# Altium PCB Daughterboard_Rev1_A.PcbDoc (part 1 of 3) (continued)
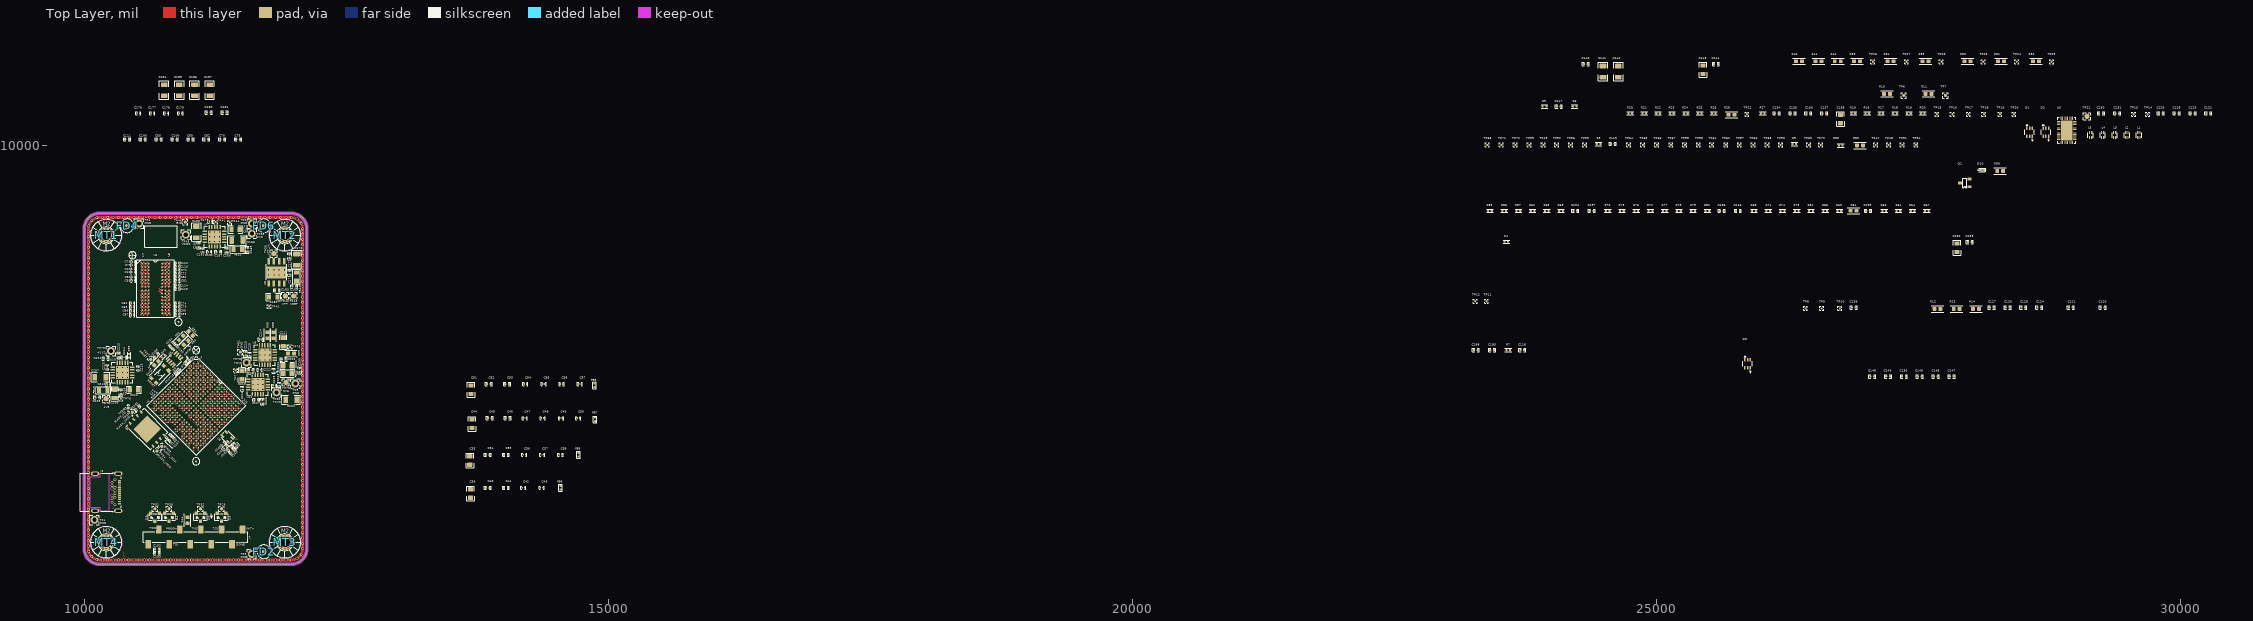
[diagram p0: Top Layer view]
## Components (designator, comment, footprint, x,y, rotation, side; value= is the part's Value field where it differs from the comment)
C1 "4.7uF" CAP_0805 11420,7710 r315 bottom
C2 "100nF" CAP_0402 11350,7775 r225 bottom
C3 "100nF" CAP_0402 11092.63,7537.63 r225 bottom
C4 "100nF" CAP_0402 11145,7590 r45 bottom
C5 "10nF" CAP_0201 11045.7,7646.13 r180 bottom
C6 "10nF" CAP_0201 11090.24,7646.13 r90 bottom
C7 "10nF" CAP_0201 11090.24,7601.58 r180 bottom
C8 "10nF" CAP_0201 11157.06,7534.77 r270 bottom
C9 "10nF" CAP_0201 11201.6,7534.77 r0 bottom
C10 "10nF" CAP_0201 11201.6,7490.23 r270 bottom
C11 "4.7uF" CAP_0805 10685,7345 r135 bottom
C12 "100nF" CAP_0402 10755,7280 r45 bottom
C13 "100nF" CAP_0402 11037.37,7482.37 r45 bottom
C14 "100nF" CAP_0402 10985,7430 r225 bottom
C15 "10nF" CAP_0201 10934.35,7534.77 r90 bottom
C16 "10nF" CAP_0201 10934.35,7490.23 r180 bottom
C17 "10nF" CAP_0201 10978.89,7490.23 r90 bottom
C18 "10nF" CAP_0201 11045.7,7423.42 r0 bottom
C19 "10nF" CAP_0201 11045.7,7378.87 r270 bottom
C20 "10nF" CAP_0201 11090.24,7378.87 r0 bottom
C21 "4.7uF" CAP_0805 11196.72,7928.28 r135 bottom
C22 "100nF" CAP_0402 11265,7860 r225 bottom
C23 "100nF" CAP_0402 11033.52,7553.22 r315 bottom
C24 "10nF" CAP_0201 11045,7600 r270 bottom
C25 "10nF" CAP_0201 10990,7595 r135 bottom
C26 "10nF" CAP_0201 10978.89,7534.77 r0 bottom
C27 "4.7uF" CAP_0805 10905,7125 r315 bottom
C28 "100nF" CAP_0402 10840,7195 r45 bottom
C29 "100nF" CAP_0402 11107.37,7472.63 r135 bottom
C30 "10nF" CAP_0201 11157.06,7490.23 r180 bottom
C31 "10nF" CAP_0201 11150,7435 r315 bottom
C32 "10nF" CAP_0201 11090.24,7423.42 r90 bottom
C33 "4.7uF" CAP_0805 13680,6990 r90 top
C34 "100nF" CAP_0402 13850,7045 r0 top
C35 "100nF" CAP_0402 14025,7045 r0 top
C36 "10nF" CAP_0201 14200,7045 r0 top
C37 "10nF" CAP_0201 14370,7045 r0 top
C38 "10nF" CAP_0201 14545,7045 r0 top
C39 "4.7uF" CAP_0805 13685,6675 r90 top
C40 "100nF" CAP_0402 13850,6730 r0 top
C41 "100nF" CAP_0402 14025,6730 r0 top
C42 "10nF" CAP_0201 14190,6730 r0 top
C43 "10nF" CAP_0201 14365,6730 r0 top
C44 "4.7uF" CAP_0805 13700,7340 r90 top
C45 "100nF" CAP_0402 13870,7395 r0 top
C46 "100nF" CAP_0402 14040,7395 r0 top
C47 "10nF" CAP_0201 14205,7395 r0 top
C48 "10nF" CAP_0201 14375,7395 r0 top
C49 "10nF" CAP_0201 14550,7395 r0 top
C50 "10nF" CAP_0201 14715,7395 r0 top
C51 "4.7uF" CAP_0805 13690,7665 r90 top
C52 "100nF" CAP_0402 13860,7720 r0 top
C53 "100nF" CAP_0402 14035,7720 r0 top
C54 "10nF" CAP_0201 14210,7720 r0 top
C55 "10nF" CAP_0201 14385,7720 r0 top
C56 "10nF" CAP_0201 14555,7720 r0 top
C57 "10nF" CAP_0201 14730,7720 r0 top
C58 "4.7uF" CAP_0805 10578,8946 r0 bottom
C59 "470nF" CAP_0402 10487,8835 r180 bottom
C60 "47nF" CAP_0201 10644,8818 r0 bottom
C61 "10nF" CAP_0201 10644,8851 r0 bottom
C62 "10nF" CAP_0201 10459.9,8490 r180 top
C63 "47nF" CAP_0201 10459.9,8453 r180 top
C64 "470nF" CAP_0402 10487,8474 r180 bottom
C65 "4.7uF" CAP_0805 10750,8946 r180 bottom
C66 "10nF" CAP_0201 10644,8779 r0 bottom
C67 "47nF" CAP_0201 10644,8746 r0 bottom
C68 "470nF" CAP_0402 10487,8633 r180 bottom
C69 "4.7uF" CAP_0805 10767,8314 r180 bottom
C70 "100nF" CAP_0402 11318,10055 r0 top
C71 "47nF" CAP_0201 10891,8805 r0 top
C72 "10nF" CAP_0201 10891,8772 r0 top
C73 "10nF" CAP_0201 10891,8455 r0 top
C74 "47nF" CAP_0201 10891,8488 r0 top
C75 "100nF" CAP_0402 11469,10055 r0 top
C76 "4.7uF" CAP_0805 10596,8314 r0 bottom
C77 "470nF" CAP_0402 10487,8726 r180 bottom
C78 "47nF" CAP_0201 10469,8853.31 r180 top
C79 "10nF" CAP_0201 10469,8885 r180 top
C80 "10nF" CAP_0201 10891,8739 r0 top
C81 "47nF" CAP_0201 10891,8707 r0 top
C82 "100nF" CAP_0402 11166,10055 r0 top
C83 "470nF" CAP_0402 10874.5,8820 r0 bottom
C84 "47nF" CAP_0201 10716,8760 r180 bottom
C85 "10nF" CAP_0201 10716,8727 r180 bottom
C86 "10nF" CAP_0201 10459.9,8416 r180 top
C87 "47nF" CAP_0201 10459.9,8379 r180 top
C88 "470nF" CAP_0402 10487,8409 r180 bottom
C89 "100nF" CAP_0402 11015,10055 r0 top
C90 "47nF" CAP_0201 10717,8851 r180 bottom
C91 "10nF" CAP_0201 10717,8884 r180 bottom
C92 "10nF" CAP_0201 10469,8739 r180 top
C93 "47nF" CAP_0201 10469,8707 r180 top
C94 "470nF" CAP_0402 10874,8473 r0 bottom
C95 "100nF" CAP_0402 10712,10055 r0 top
C96 "47nF" CAP_0201 10645,8568 r0 bottom
C97 "10nF" CAP_0201 10645,8601 r0 bottom
C98 "10nF" CAP_0201 10891,8416 r0 top
C99 "47nF" CAP_0201 10891,8383 r0 top
C100 "100nF" CAP_0402 10863,10055 r0 top
C101 "470nF" CAP_0402 10874,8662 r0 bottom
C102 "47nF" CAP_0201 10469,8785 r180 top
C103 "10nF" CAP_0201 10469,8816.31 r180 top
C104 "10nF" CAP_0201 10645,8661.16 r0 bottom
C105 "47nF" CAP_0201 10645,8694.16 r0 bottom
C106 "100nF" CAP_0402 10560,10055 r0 top
C107 "470nF" CAP_0402 10874,8584 r0 bottom
C108 "47nF" CAP_0201 10717,8592 r180 bottom
C109 "10nF" CAP_0201 10717,8559 r180 bottom
C110 "470nF" CAP_0402 10874,8410 r0 bottom
C111 "100nF" CAP_0402 10409,10055 r0 top
C112 "47nF" CAP_0201 10891,8871 r0 top
C113 "10nF" CAP_0201 10891,8838 r0 top
C114 "10nF" CAP_0201 10891,8661 r0 top
C115 "47nF" CAP_0201 10891,8628 r0 top
C116 "2.2pF" CAP_0402 25780,9373 r0 top
C117 "100nF" CAP_0402 24071,10367 r0 top
C118 "2.2pF" CAP_0402 23723,8044 r0 top
C119 "2.2pF" CAP_0402 24586,10012 r0 top
C120 "100nF" CAP_0402 29260,8451 r0 top
C121 "100nF" CAP_0402 28957,8451 r0 top
C122 "100nF" CAP_0402 30269,10303 r0 top
C123 "100nF" CAP_0402 30118,10303 r0 top
C124 "100nF" CAP_0402 28655,8451 r0 top
C125 "100nF" CAP_0402 28503,8451 r0 top
C126 "100nF" CAP_0402 28352,8451 r0 top
C127 "100nF" CAP_0402 28200,8451 r0 top
C128 "100nF" CAP_0402 29966,10303 r0 top
C129 "100nF" CAP_0402 29815,10303 r0 top
C130 "220pF" CAP_0402 29244,10303 r0 top
C131 "220pF" CAP_0402 29399,10303 r0 top
C132 "4.7uF" CAP_0805 27869,9021 r90 top
C133 "100nF" CAP_0402 27993,9075 r0 top
C134 "100nF" CAP_0402 26149,10303 r0 top
C135 "100nF" CAP_0402 26301,10303 r0 top
C136 "100nF" CAP_0402 26452,10303 r0 top
C137 "100nF" CAP_0402 26604,10303 r0 top
C138 "4.7uF" CAP_0805 26757,10249 r90 top
C139 "470nF" CAP_0402 26884,8451 r0 top
C140 "470nF" CAP_0402 24327,10773 r0 top
C141 "47uF" CAP_1206 24493,10701 r90 top
C142 "47uF" CAP_1206 24638,10701 r90 top
C143 "4.7uF" CAP_0805 25446,10719 r90 top
C144 "100nF" CAP_0402 25570,10773 r0 top
C145 "100nF" CAP_0402 27515,7793 r0 top
C146 "100nF" CAP_0402 27667,7793 r0 top
C147 "100nF" CAP_0402 27818,7793 r0 top
C148 "100nF" CAP_0402 27061,7793 r0 top
C149 "100nF" CAP_0402 27212,7793 r0 top
C150 "100nF" CAP_0402 27364,7793 r0 top
C151 "220pF" CAP_0402 10507.37,7492.37 r45 top
C152 "100nF" CAP_0402 10695,6140 r0 top
C153 "100nF" CAP_0402 10695,6105 r0 top
C154 "100nF" CAP_0402 10835,8100 r45 top
C155 "100nF" CAP_0402 10865,8070 r45 top
C156 "100nF" CAP_0402 10835,7190 r45 top
C157 "100nF" CAP_0402 10807.63,7217.63 r45 top
C158 "100nF" CAP_0402 10687.37,7992.37 r45 top
C159 "47uF" CAP_1206 11410,7265 r135 bottom
C160 "4.7uF" CAP_0805 11360,7200 r135 bottom
C161 "100nF" CAP_0402 11345,7115 r225 top
C162 "220pF" CAP_0402 11387.37,7107.37 r225 top
C163 "47nF" CAP_0201 11330,7145 r225 top
C164 "100nF" CAP_0402 11415,7075 r225 top
C165 "470nF" CAP_0402 11560,9002.5 r90 top
C166 "47uF" CAP_1206 11460,9090 r0 top
C167 "470nF" CAP_0402 11280,8980 r180 top
C168 "100nF" CAP_0402 11360,8995 r270 top
C169 "470nF" CAP_0402 12005,8650 r0 top
C170 "47uF" CAP_1206 12025,8908 r90 top
C171 "470nF" CAP_0402 11960,8782.5 r270 top
C172 "100nF" CAP_0402 11960,8940 r90 top
C173 "100nF" CAP_0402 11845,8910 r180 bottom
C174 "4.7uF" CAP_0805 11445,9195 r0 top
C175 "10nF" CAP_0201 11205,9270 r0 top
C176 "47nF" CAP_0201 10518,10305 r0 top
C177 "47nF" CAP_0201 10651,10305 r0 top
C178 "47nF" CAP_0201 10785,10305 r0 top
C179 "47nF" CAP_0201 10919,10305 r0 top
C180 "100nF" CAP_0402 11189,10310 r0 top
C181 "100nF" CAP_0402 11340,10310 r0 top
C182 "4.7uF" CAP_0805 11805,8550 r180 top
C183 "470nF" CAP_0402 11840,8615 r180 top
C184 "47uF" CAP_1206 10763,10524 r90 top
C185 "47uF" CAP_1206 10908,10524 r90 top
C186 "47uF" CAP_1206 11053,10524 r90 top
C187 "47uF" CAP_1206 11198,10524 r90 top
C188 "47uF" CAP_1206 11070,9170 r90 top
C189 "47uF" CAP_2917_P 11465,9120 r90 bottom
C190 "470nF" CAP_0402 11090,9045 r270 top
C191 "47nF" CAP_0201 11130,8995 r270 top
C192 "10nF" CAP_0201 11194,8980 r0 top
C193 "470nF" CAP_0402 23434,8043 r0 top
C194 "470nF" CAP_0402 24229,9373 r0 top
C195 "470nF" CAP_0402 27021,9373 r0 top
C196 "470nF" CAP_0402 25625,9373 r0 top
C197 "470nF" CAP_0402 24384,9373 r0 top
C198 "470nF" CAP_0402 23279,8043 r0 top
C199 "470nF" CAP_0402 12055,7852.5 r90 top
C200 "47uF" CAP_1206 11975,7570 r0 top
C201 "47uF" CAP_1206 11710,7895 r180 bottom
C202 "4.7uF" CAP_0805 11940,7895 r0 top
C203 "470nF" CAP_0402 11902.5,7955 r0 top
C204 "10nF" CAP_0201 11810,7845 r270 top
C205 "470nF" CAP_0402 10125,7590 r180 top
C206 "47uF" CAP_1206 10375,7685 r270 bottom
C207 "47uF" CAP_1206 10155,7785 r180 top
C208 "4.7uF" CAP_0805 10291.32,7625 r270 top
C209 "470nF" CAP_0402 10350,7642.5 r270 top
C210 "10nF" CAP_0201 10231,7715 r180 top
C211 "4.7uF" CAP_0805 11900,8120 r90 top
C212 "4.7uF" CAP_0805 10475,7665 r0 top
C213 "4.7uF" CAP_0805 11505,7805 r270 top
C214 "10nF" CAP_0201 11685,8145 r0 top
C215 "10nF" CAP_0201 10515,7869 r270 top
C216 "10nF" CAP_0201 11510,7676 r90 top
C217 "4.7uF" CAP_0805 11590,8000 r0 bottom
C218 "470nF" CAP_0402 11590,7855 r180 top
C219 "100nF" CAP_0402 11540,8010 r90 top
C220 "47nF" CAP_0201 11580,8001 r90 top
C221 "10nF" CAP_0201 11675,7855 r0 top
C222 "470nF" CAP_0402 10205,7965 r180 top
C223 "100nF" CAP_0402 10330,7993 r90 top
C224 "47nF" CAP_0201 10380,7975 r0 top
C225 "10nF" CAP_0201 10220,7880 r270 top
C226 "470nF" CAP_0402 11700,7552.8 r90 top
C227 "100nF" CAP_0402 11642.5,7570 r180 top
C228 "47nF" CAP_0201 11860,7715 r90 top
C229 "10nF" CAP_0201 11815,7705 r180 top
D1 "TPD4E1B06DCKR" TPD4E1B06DCKR 28563,10123 r90 top
D2 "TPD4E1B06DCKR" TPD4E1B06DCKR 28718,10123 r90 top
D3 "BAV99" MMBD7000-7-F 11310,6450 r180 top
D4 "BAV99" MMBD7000-7-F 10810,6450 r180 top
D5 "BAV99" MMBD7000-7-F 10675,6450 r180 top
D6 "BAV99" MMBD7000-7-F 11110,6450 r180 top
D7 "HRTBT" LED_0402 10985,7935 r225 top
D8 "TPD4E1B06DCKR" TPD4E1B06DCKR 25872,7913 r90 top
D9 "STATUS" LED_0402 10890,7840 r225 top
D10 "DONE" LED_0402 28109,9762 r0 top
FB1 "MPZ1005S900HT000" IND_0402 11320,7805 r225 bottom
FB2 "MPZ1005S900HT000" IND_0402 10782.63,7252.63 r45 bottom
FB3 "MPZ1005S900HT000" IND_0402 11292.37,7832.37 r225 bottom
FB4 "MPZ1005S900HT000" IND_0402 10812.37,7222.37 r45 bottom
FB5 "MPZ1005S900HT000" IND_0402 14715,7045 r90 top
FB6 "MPZ1005S900HT000" IND_0402 14545,6730 r90 top
FB7 "MPZ1005S900HT000" IND_0402 14875,7382.5 r90 top
FB8 "MPZ1005S900HT000" IND_0402 14870,7707.5 r90 top
FB9 "MPZ1005S900HT000" IND_0402 11437.37,7132.63 r135 top
FB10 "MPZ2012S300ATD25" IND_0805 11465,9005 r180 top
FB11 "MPZ2012S300ATD25" IND_0805 12025,8745 r90 top
FB12 "MPZ2012S300ATD25" IND_0805 11940,7820 r180 top
FB13 "MPZ2012S300ATD25" IND_0805 10181.32,7660 r0 top
FD1 "FIDUCIAL" FIDUCIAL 11715,9230 r180 bottom locked
FD2 "FIDUCIAL" FIDUCIAL 11715,6120 r0 top locked
FD3 "FIDUCIAL" FIDUCIAL 11715,6120 r180 bottom locked
FD4 "FIDUCIAL" FIDUCIAL 10410,9230 r0 top locked
FD5 "FIDUCIAL" FIDUCIAL 10410,9230 r180 bottom locked
FD6 "FIDUCIAL" FIDUCIAL 11715,9230 r0 top locked
J1 "SSM-104-L-SV" SSM-104-L-SV 11915,7995 r90 bottom locked
J2 "SSM-104-L-SV" SSM-104-L-SV 11025,6670 r180 bottom locked
J3 "SSM-110-L-DV" SSM-110-L-DV#1 11025,6300 r0 bottom locked
J4 "SSM-110-L-SV" SSM-110-L-SV 11062,6262 r0 top
J5 "SSM-104-L-SV" SSM-104-L-SV 10210,7780 r90 bottom locked
J6 "SSM-104-L-SV" SSM-104-L-SV 11915,8620 r90 bottom locked
J7 "SSM-110-L-DV" SSM-110-L-DV#2 11895,7030 r90 bottom locked
J8 "UJ31-CH-G2-SMT-TR" UJ31-CH-G2-SMT-TR 10337.26,6795.76 r270 top
L1 "DLM11SN900HY2L" DLM11SN900HY2L 29605.84,10095.5 r90 top
L2 "DLM11SN900HY2L" DLM11SN900HY2L 29490.84,10095.5 r90 top
L3 "DLM11SN900HY2L" DLM11SN900HY2L 29374.84,10095.5 r90 top
L4 "DLM11SN900HY2L" DLM11SN900HY2L 29259.84,10095.5 r90 top
L5 "DLM11SN900HY2L" DLM11SN900HY2L 29143.84,10095.5 r90 top
MT1 "M2" MTH_M2 10210,9140 r0 top locked
MT2 "M2" MTH_M2 11915,9140 r0 top locked
MT3 "M2" MTH_M2 11915,6210 r0 top locked
MT4 "M2" MTH_M2 10210,6210 r0 top locked
Q1 "DMN6140L-7" SOT23-3 27944,9639 r90 top
R1 "0R" RES_0603 10525,7390 r315 bottom
R2 "0R" RES_0603 10635,7150 r135 bottom
R3 "0R" RES_0603 10570.18,7434.82 r315 bottom
R4 "240R" RES_0402 23570,9078 r0 top
R5 "80R6" RES_0402 26318,10011 r0 top
R6 "49R9" RES_0402 24221,10367 r0 top
R7 "80R6" RES_0402 23588,8043 r0 top
R8 "80R6" RES_0402 24450,10011 r0 top
R9 "49R9" RES_0402 23934,10367 r0 top
R10 "4K7" RES_0603 27202,10489 r0 top
R11 "4K7" RES_0603 27599,10489 r0 top
R12 "4K7" RES_0603 27682,8437 r0 top
R13 "4K7" RES_0603 27867,8437 r0 top
R14 "4K7" RES_0603 28052,8437 r0 top
R15 "100R" RES_0402 26881,10303 r0 top
R16 "100R" RES_0402 27013,10303 r0 top
R17 "100R" RES_0402 27146,10303 r0 top
R18 "100R" RES_0402 27278,10303 r0 top
R19 "100R" RES_0402 27411,10303 r0 top
R20 "100R" RES_0402 27543,10303 r0 top
R21 "100R" RES_0402 24885,10303 r0 top
R22 "100R" RES_0402 25018,10303 r0 top
R23 "100R" RES_0402 25150,10303 r0 top
R24 "100R" RES_0402 25283,10303 r0 top
R25 "100R" RES_0402 25415,10303 r0 top
R26 "100R" RES_0402 25548,10303 r0 top
R27 "100R" RES_0402 26016,10303 r0 top
R28 "0R" RES_0603 25718,10289 r0 top
R29 "100R" RES_0402 24753,10303 r0 top
R30 "4K7" RES_0603 27970,10800 r0 top
R31 "4K7" RES_0603 28290,10800 r0 top
R32 "4K7" RES_0603 28623,10800 r0 top
R33 "4K7" RES_0603 26917,10800 r0 top
R34 "4K7" RES_0603 27237,10800 r0 top
R35 "4K7" RES_0603 27570,10800 r0 top
R36 "4K7" RES_0603 10840,6530 r180 bottom
R37 "4K7" RES_0603 10645,6530 r0 bottom
R38 "4K7" RES_0603 11080,6530 r0 bottom
R39 "4K7" RES_0603 11340,6530 r0 bottom
R40 "0R" RES_0603 26362,10800 r0 top
R41 "0R" RES_0603 26547,10800 r0 top
R42 "0R" RES_0603 26732,10800 r0 top
R43 "300R" RES_0603 10935,8010 r315 bottom
R44 "4K7" RES_0603 10985,6420 r90 top
R45 "300R" RES_0603 10840,7920 r315 bottom
R46 "4K7" RES_0603 10925,8160 r225 bottom
R47 "4K7" RES_0603 10971.86,8114.7 r225 bottom
R48 "4K7" RES_0603 11016.78,8201.78 r315 bottom
R49 "100R" RES_0402 10755,7985 r225 top
R50 "300R" RES_0603 28282,9753 r0 top
R51 "1K" RES_0603 10687.76,7918.97 r45 top
R52 "0R" RES_0603 10925,8160 r45 top
R53 "0R" RES_0603 10971.86,8114.7 r45 top
R54 "0R" RES_0603 11016.78,8201.78 r135 top
R55 "4K7" RES_0603 11340,9080 r90 bottom
R56 "3K24" RES_0603 11065,9176.46 r90 bottom
R57 "100K" RES_0603 11230,9260 r180 bottom
R58 "4K7" RES_0603 11130,9235 r90 bottom
R59 "100K" RES_0603 11765,8663.54 r90 bottom
R60 "49R9" RES_0402 27175,9373 r0 top
R61 "49R9" RES_0402 27311,9373 r0 top
R62 "49R9" RES_0402 23820,9373 r0 top
R63 "49R9" RES_0402 26748,9373 r0 top
R64 "49R9" RES_0402 27446,9373 r0 top
R65 "49R9" RES_0402 23956,9373 r0 top
R66 "49R9" RES_0402 26612,9373 r0 top
R67 "49R9" RES_0402 27582,9373 r0 top
R68 "49R9" RES_0402 25933,9373 r0 top
R69 "49R9" RES_0402 24092,9373 r0 top
R70 "49R9" RES_0402 24537,9373 r0 top
R71 "49R9" RES_0402 26069,9373 r0 top
R72 "49R9" RES_0402 24945,9373 r0 top
R73 "49R9" RES_0402 24673,9373 r0 top
R74 "49R9" RES_0402 26205,9373 r0 top
R75 "49R9" RES_0402 26341,9373 r0 top
R76 "49R9" RES_0402 24809,9373 r0 top
R77 "49R9" RES_0402 25081,9373 r0 top
R78 "49R9" RES_0402 25216,9373 r0 top
R79 "49R9" RES_0402 25352,9373 r0 top
R80 "49R9" RES_0402 26760,9997 r0 top
R81 "49R9" RES_0402 26477,9373 r0 top
R82 "49R9" RES_0402 25488,9373 r0 top
R83 "100K" RES_0603 26945,9997 r0 top
R84 "100K" RES_0603 26884,9373 r0 top
R85 "49R9" RES_0402 23413,9373 r0 top
R86 "49R9" RES_0402 23549,9373 r0 top
R87 "49R9" RES_0402 23685,9373 r0 top
R88 "0R" RES_0603 11805,8185 r270 top
R89 "4K7" RES_0603 11975,8010 r180 top
R90 "0R" RES_0603 10530,7705 r90 bottom
R91 "4K7" RES_0603 10465,7770 r270 bottom
R92 "0R" RES_0603 11515,7820 r270 bottom
R93 "4K7" RES_0603 11675,7815 r180 bottom
R94 "100R" RES_0402 11585,8050 r180 bottom
R95 "499R" RES_0402 10430,7990 r270 top
R96 "2K2" RES_0603 11578.54,7610 r180 bottom
R97 "10K" RES_0603 11600,8105 r0 bottom
R98 "0R" RES_0603 11750,8185 r90 top
R99 "3K24" RES_0603 11725,8105 r0 bottom
R100 "0R" RES_0603 10530,7833.54 r90 bottom
R101 "1K" RES_0603 10500,7930 r0 bottom
R102 "0R" RES_0603 11580,7820 r90 bottom
R103 "1K" RES_0603 11560,7705 r90 bottom
SW1 "RESET" KMR621NGLFS 10722.73,7812.48 r225 top
TP1 "GND" TP_HOLE 10525,9252 r0 top
TP2 "GND" TP_HOLE 11600,9252 r0 top
TP3 "GND" TP_HOLE 11599,6098 r0 top
TP4 "GND" TP_HOLE 10098,6424 r0 top
TP5 "GND" TP_HOLE 12015,7725 r0 top
TP6 "USB1_SCL" TP_PAD_SMALL 27362,10474 r0 top
TP7 "USB1_SDA" TP_PAD_SMALL 27759,10474 r0 top
TP8 "FAULT" TP_PAD_TINY 26424,8442 r0 top
TP9 "LD_DET" TP_PAD_TINY 26578,8442 r0 top
TP10 "POL" TP_PAD_TINY 26752,8442 r0 top
TP11 "CC1" TP_PAD_TINY 23381,8510 r0 top
TP12 "CC2" TP_PAD_TINY 23273,8510 r0 top
TP13 "SBU2" TP_PAD_TINY 29555,10294 r0 top
TP14 "SBU1" TP_PAD_TINY 29689,10294 r0 top
TP15 "DPEQ1" TP_PAD_TINY 27678,10294 r0 top
TP16 "DPEQ0" TP_PAD_TINY 27825,10294 r0 top
TP17 "SSEQ1" TP_PAD_TINY 27979,10294 r0 top
TP18 "SSEQ0" TP_PAD_TINY 28126,10294 r0 top
TP19 "EQ1" TP_PAD_TINY 28280,10294 r0 top
TP20 "EQ0" TP_PAD_TINY 28413,10294 r0 top
TP21 "3.3V" TP_PAD 29111,10274 r0 top
TP22 "HPDIN" TP_PAD_TINY 25867,10294 r0 top
TP23 "DONE" TP_PAD_TINY 28120,10795 r0 top
TP24 "INITN" TP_PAD_TINY 28440,10795 r0 top
TP25 "PROGRAMN" TP_PAD_TINY 28773,10795 r0 top
TP26 "CFG0" TP_PAD_TINY 27067,10795 r0 top
TP27 "CFG1" TP_PAD_TINY 27387,10795 r0 top
TP28 "CFG2" TP_PAD_TINY 27720,10795 r0 top
TP29 "TCK" TP_PAD_SMALL 11310,6530 r0 top
TP30 "TDI" TP_PAD_SMALL 10810,6530 r0 top
TP31 "TDO" TP_PAD_SMALL 10675,6530 r0 top
TP32 "TMS" TP_PAD_SMALL 11110,6530 r0 top
TP33 "FLASH_MISO" TP_PAD_SMALL 10460,7450 r135 top
TP34 "FLASH_MOSI" TP_PAD_SMALL 10695,7080 r135 top
TP35 "FLASH_SCLK" TP_PAD_SMALL 10740,7125 r135 top
TP36 "FLASH_CS" TP_PAD_SMALL 10420,7490 r135 top
TP37 "RESET" TP_PAD_SMALL 10635,7955 r45 top
TP38 "2V5" TP_HOLE 11600,9155 r0 top
TP39 "VTT_IN" TP_PAD 11809.38,8964.72 r0 top
TP40 "VTT" TP_PAD 11920,8560 r0 top
TP41 "VDDR_EN" TP_PAD_TINY 11255,9265 r0 top
TP42 "VTT_EN" TP_PAD_TINY 11765,8460 r90 top
TP43 "VREF" TP_PAD 12000,8560 r0 top
TP44 "VDDR_PG" TP_PAD_TINY 11390,9260 r0 top
TP45 "VDDR" TP_HOLE 10970,9145 r0 top
TP46 "GND" TP_PAD_SMALL 10965,9265 r0 top
TP47 "A0" TP_PAD_TINY 27094,10002 r0 top
TP48 "A1" TP_PAD_TINY 27218,10002 r0 top
TP49 "BA0" TP_PAD_TINY 23923,10002 r0 top
TP50 "UDM" TP_PAD_TINY 26187,10002 r0 top
TP51 "A2" TP_PAD_TINY 27348,10002 r0 top
TP52 "BA1" TP_PAD_TINY 24050,10002 r0 top
TP53 "LDM" TP_PAD_TINY 24318,10002 r0 top
TP54 "A3" TP_PAD_TINY 27479,10002 r0 top
TP55 "A4" TP_PAD_TINY 25273,10002 r0 top
TP56 "BA2" TP_PAD_TINY 24184,10002 r0 top
TP57 "RAS" TP_PAD_TINY 25795,10002 r0 top
TP58 "A5" TP_PAD_TINY 25404,10002 r0 top
TP59 "CKE" TP_PAD_TINY 23789,10002 r0 top
TP60 "CAS" TP_PAD_TINY 25926,10002 r0 top
TP61 "A6" TP_PAD_TINY 25531,10003 r0 top
TP62 "A7" TP_PAD_TINY 25665,10002 r0 top
TP63 "WE" TP_PAD_TINY 26060,10002 r0 top
TP64 "A8" TP_PAD_TINY 24738,10002 r0 top
TP65 "A9" TP_PAD_TINY 24872,10002 r0 top
TP66 "A10" TP_PAD_TINY 25006,10002 r0 top
TP67 "A11" TP_PAD_TINY 25140,10002 r0 top
TP68 "A12" TP_PAD_TINY 23388,10002 r0 top
TP69 "CS" TP_PAD_TINY 26456,10002 r0 top
TP70 "RESET" TP_PAD_TINY 26570,10002 r0 top
TP71 "A13" TP_PAD_TINY 23522,10002 r0 top
TP72 "A14" TP_PAD_TINY 23656,10002 r0 top
TP73 "3V6" TP_PAD 11925,7735 r0 top
TP74 "1V5" TP_PAD 10210,7580 r0 top
TP75 "3V3_PG" TP_PAD_TINY 11965,8075 r0 top
TP76 "1V2_PG" TP_PAD_TINY 10350,7580 r0 top
TP77 "2V5_PG" TP_PAD_TINY 11445,7850 r90 top
TP78 "+3V3" TP_HOLE 11550,7925 r0 top
TP79 "+1V2" TP_HOLE 10255,8035 r0 top
TP80 "+2V5" TP_HOLE 11835,7640 r0 top
TP81 "GND" TP_PAD_SMALL 11490,8025 r0 top
U1 "ECP-5" CABGA-381 11067.97,7512.5 r315 top locked
U2 "MT41K512M16HA-125 :A" FBGA-96 10680.1,8630.71 r0 top locked
U3 "TUSB546-DCIRNQT" TUSB546-DCIRNQT 28917,10140 r90 top
U4 "MAX6372KA+T" SOT23-8 10865,7955 r315 top
U5 "S25FS512SAGNFI010" S25FL256LAGNFV010 10600,7290 r315 top
U6 "TG2520SMN 50.0000M-MCGNNM3" TG2520SMN 11365,7215 r135 top
U7 "TPS74401MRGWREP" TPS74401 11245,9125 r90 top
U8 "LP2996AMRX/NOPB" LP2996AMRX 11835,8785 r90 top
U9 "TPS74401MRGWREP" TPS74401 11724,7997 r90 top
U10 "TPS74401MRGWREP" TPS74401 10365,7830 r0 top
U11 "TPS74401MRGWREP" TPS74401 11657.09,7714.41 r180 top

## Footprints (in the part's own frame and the unit in brackets; to place one, negate y for a bottom-side part, rotate by r counter-clockwise, add the part's x,y. Pads: shape width x height; smd on the part's side, far side on the other; paste and mask are expansions set on the pad)
CABGA-381 [mm]
  round 0.508 smd paste-25.375 mask+0.508: 1(-9.525,9.525) 1(9.525,-9.525)
  round 0.37 smd paste-25.375: A2(-6.8,7.6) A3(-6,7.6) A4(-5.2,7.6) A5(-4.4,7.6) A6(-3.6,7.6) A7(-2.8,7.6) A8(-2,7.6) A9(-1.2,7.6) A10(-0.4,7.6) A11(0.4,7.6) A12(1.2,7.6) A13(2,7.6) A14(2.8,7.6) A15(3.6,7.6) A16(4.4,7.6) A17(5.2,7.6) A18(6,7.6) A19(6.8,7.6) B1(-7.6,6.8) B2(-6.8,6.8) B3(-6,6.8) B4(-5.2,6.8) B5(-4.4,6.8) B6(-3.6,6.8) B7(-2.8,6.8) B8(-2,6.8) B9(-1.2,6.8) B10(-0.4,6.8) B11(0.4,6.8) B12(1.2,6.8) B13(2,6.8) B14(2.8,6.8) B15(3.6,6.8) B16(4.4,6.8) B17(5.2,6.8) B18(6,6.8) B19(6.8,6.8) B20(7.6,6.8) C1(-7.6,6) C2(-6.8,6) C3(-6,6) C4(-5.2,6) C5(-4.4,6) C6(-3.6,6) C7(-2.8,6) C8(-2,6) C9(-1.2,6) C10(-0.4,6) C11(0.4,6) C12(1.2,6) C13(2,6) C14(2.8,6) C15(3.6,6) C16(4.4,6) C17(5.2,6) C18(6,6) C19(6.8,6) C20(7.6,6) D1(-7.6,5.2) D2(-6.8,5.2) D3(-6,5.2) D4(-5.2,5.2) D5(-4.4,5.2) D6(-3.6,5.2) D7(-2.8,5.2) D8(-2,5.2) D9(-1.2,5.2) D10(-0.4,5.2) D11(0.4,5.2) D12(1.2,5.2) D13(2,5.2) D14(2.8,5.2) D15(3.6,5.2) D16(4.4,5.2) D17(5.2,5.2) D18(6,5.2) D19(6.8,5.2) D20(7.6,5.2) E1(-7.6,4.4) E2(-6.8,4.4) E3(-6,4.4) E4(-5.2,4.4) E5(-4.4,4.4) E6(-3.6,4.4) E7(-2.8,4.4) E8(-2,4.4) E9(-1.2,4.4) E10(-0.4,4.4) E11(0.4,4.4) E12(1.2,4.4) E13(2,4.4) E14(2.8,4.4) E15(3.6,4.4) E16(4.4,4.4) E17(5.2,4.4) E18(6,4.4) E19(6.8,4.4) E20(7.6,4.4) F1(-7.6,3.6) F2(-6.8,3.6) F3(-6,3.6) F4(-5.2,3.6) F5(-4.4,3.6) F6(-3.6,3.6) F7(-2.8,3.6) F8(-2,3.6) F9(-1.2,3.6) F10(-0.4,3.6) F11(0.4,3.6) F12(1.2,3.6) F13(2,3.6) F14(2.8,3.6) F15(3.6,3.6) F16(4.4,3.6) F17(5.2,3.6) F18(6,3.6) F19(6.8,3.6) F20(7.6,3.6) G1(-7.6,2.8) G2(-6.8,2.8) G3(-6,2.8) G4(-5.2,2.8) G5(-4.4,2.8) G6(-3.6,2.8) G7(-2.8,2.8) G8(-2,2.8) G9(-1.2,2.8) G10(-0.4,2.8) G11(0.4,2.8) G12(1.2,2.8) G13(2,2.8) G14(2.8,2.8) G15(3.6,2.8) G16(4.4,2.8) G17(5.2,2.8) G18(6,2.8) G19(6.8,2.8) G20(7.6,2.8) H1(-7.6,2) H2(-6.8,2) H3(-6,2) H4(-5.2,2) H5(-4.4,2) H6(-3.6,2) H7(-2.8,2) H8(-2,2) H9(-1.2,2) H10(-0.4,2) H11(0.4,2) H12(1.2,2) H13(2,2) H14(2.8,2) H15(3.6,2) H16(4.4,2) H17(5.2,2) H18(6,2) H19(6.8,2) H20(7.6,2) J1(-7.6,1.2) J2(-6.8,1.2) J3(-6,1.2) J4(-5.2,1.2) J5(-4.4,1.2) J6(-3.6,1.2) J7(-2.8,1.2) J8(-2,1.2) J9(-1.2,1.2) J10(-0.4,1.2) J11(0.4,1.2) J12(1.2,1.2) J13(2,1.2) J14(2.8,1.2) J15(3.6,1.2) J16(4.4,1.2) J17(5.2,1.2) J18(6,1.2) J19(6.8,1.2) J20(7.6,1.2) K1(-7.6,0.4) K2(-6.8,0.4) K3(-6,0.4) K4(-5.2,0.4) K5(-4.4,0.4) K6(-3.6,0.4) K7(-2.8,0.4) K8(-2,0.4) K9(-1.2,0.4) K10(-0.4,0.4) K11(0.4,0.4) K12(1.2,0.4) K13(2,0.4) K14(2.8,0.4) K15(3.6,0.4) K16(4.4,0.4) K17(5.2,0.4) K18(6,0.4) K19(6.8,0.4) K20(7.6,0.4) L1(-7.6,-0.4) L2(-6.8,-0.4) L3(-6,-0.4) L4(-5.2,-0.4) L5(-4.4,-0.4) L6(-3.6,-0.4) L7(-2.8,-0.4) L8(-2,-0.4) L9(-1.2,-0.4) L10(-0.4,-0.4) L11(0.4,-0.4) L12(1.2,-0.4) L13(2,-0.4) L14(2.8,-0.4) L15(3.6,-0.4) L16(4.4,-0.4) L17(5.2,-0.4) L18(6,-0.4) L19(6.8,-0.4) L20(7.6,-0.4) M1(-7.6,-1.2) M2(-6.8,-1.2) M3(-6,-1.2) M4(-5.2,-1.2) M5(-4.4,-1.2) M6(-3.6,-1.2) M7(-2.8,-1.2) M8(-2,-1.2) M9(-1.2,-1.2) M10(-0.4,-1.2) M11(0.4,-1.2) M12(1.2,-1.2) M13(2,-1.2) M14(2.8,-1.2) M15(3.6,-1.2) M16(4.4,-1.2) M17(5.2,-1.2) M18(6,-1.2) M19(6.8,-1.2) M20(7.6,-1.2) N1(-7.6,-2) N2(-6.8,-2) N3(-6,-2) N4(-5.2,-2) N5(-4.4,-2) N6(-3.6,-2) N7(-2.8,-2) N8(-2,-2) N9(-1.2,-2) N10(-0.4,-2) N11(0.4,-2) N12(1.2,-2) N13(2,-2) N14(2.8,-2) N15(3.6,-2) N16(4.4,-2) N17(5.2,-2) N18(6,-2) N19(6.8,-2) N20(7.6,-2) P1(-7.6,-2.8) P2(-6.8,-2.8) P3(-6,-2.8) P4(-5.2,-2.8) P5(-4.4,-2.8) P6(-3.6,-2.8) P7(-2.8,-2.8) P8(-2,-2.8) P9(-1.2,-2.8) P10(-0.4,-2.8) P11(0.4,-2.8) P12(1.2,-2.8) P13(2,-2.8) P14(2.8,-2.8) P15(3.6,-2.8) P16(4.4,-2.8) P17(5.2,-2.8) P18(6,-2.8) P19(6.8,-2.8) P20(7.6,-2.8) R1(-7.6,-3.6) R2(-6.8,-3.6) R3(-6,-3.6) R4(-5.2,-3.6) R5(-4.4,-3.6) R16(4.4,-3.6) R17(5.2,-3.6) R18(6,-3.6) R19(6.8,-3.6) R20(7.6,-3.6) T1(-7.6,-4.4) T2(-6.8,-4.4) T3(-6,-4.4) T4(-5.2,-4.4) T5(-4.4,-4.4) T6(-3.6,-4.4) T7(-2.8,-4.4) T8(-2,-4.4) T9(-1.2,-4.4) T10(-0.4,-4.4) T11(0.4,-4.4) T12(1.2,-4.4) T13(2,-4.4) T14(2.8,-4.4) T15(3.6,-4.4) T16(4.4,-4.4) T17(5.2,-4.4) T18(6,-4.4) T19(6.8,-4.4) T20(7.6,-4.4) U1(-7.6,-5.2) U2(-6.8,-5.2) U3(-6,-5.2) U4(-5.2,-5.2) U5(-4.4,-5.2) U6(-3.6,-5.2) U7(-2.8,-5.2) U8(-2,-5.2) U9(-1.2,-5.2) U10(-0.4,-5.2) U11(0.4,-5.2) U12(1.2,-5.2) U13(2,-5.2) U14(2.8,-5.2) U15(3.6,-5.2) U16(4.4,-5.2) U17(5.2,-5.2) U18(6,-5.2) U19(6.8,-5.2) U20(7.6,-5.2) V1(-7.6,-6) V2(-6.8,-6) V3(-6,-6) V4(-5.2,-6) V5(-4.4,-6) V6(-3.6,-6) V7(-2.8,-6) V8(-2,-6) V9(-1.2,-6) V10(-0.4,-6) V11(0.4,-6) V12(1.2,-6) V13(2,-6) V14(2.8,-6) V15(3.6,-6) V16(4.4,-6) V17(5.2,-6) V18(6,-6) V19(6.8,-6) V20(7.6,-6) W1(-7.6,-6.8) W2(-6.8,-6.8) W3(-6,-6.8) W4(-5.2,-6.8) W5(-4.4,-6.8) W6(-3.6,-6.8) W7(-2.8,-6.8) W8(-2,-6.8) W9(-1.2,-6.8) W10(-0.4,-6.8) W11(0.4,-6.8) W12(1.2,-6.8) W13(2,-6.8) W14(2.8,-6.8) W15(3.6,-6.8) W16(4.4,-6.8) W17(5.2,-6.8) W18(6,-6.8) W19(6.8,-6.8) W20(7.6,-6.8) Y2(-6.8,-7.6) Y3(-6,-7.6) Y5(-4.4,-7.6) Y6(-3.6,-7.6) Y7(-2.8,-7.6) Y8(-2,-7.6) Y11(0.4,-7.6) Y12(1.2,-7.6) Y14(2.8,-7.6) Y15(3.6,-7.6) Y16(4.4,-7.6) Y17(5.2,-7.6) Y19(6.8,-7.6)
  silkscreen extent -10.41,-10.41 10.41,10.41, body extent -8.5,-8.5 8.5,8.5, height 0.88
CAP_0201 [mil]
  rect 13x16 smd paste-999 mask+3: 1(-11,0) 2(11,0)
  silkscreen extent -24,-15 24,15, body extent -19,-10 20,10, height 20
CAP_0402 [mil]
  rrect50% 20x20 smd paste+0 mask+1.97: 1(-17.5,0) 2(17.5,0)
  silkscreen extent -33,-16 33,16, body extent -19,-10 20,10, height 20
CAP_0805 [mil] "Generic 0805 capacitor"
  rrect25% 40x50 smd: 1(-40,0) 2(40,0)
  silkscreen extent -70,-35 70,35, body extent -39,-25 39,25, height 24
CAP_1206 [mil]
  rrect25% 44x64 smd: 1(-53,0) 2(53,0)
  silkscreen extent -88,-45 88,45, body extent -63,-31 63,31, height 40
CAP_2917_P [mil]
  rect 90x100 smd: 1(-125,0)
  rrect25% 90x100 smd paste+0 mask+0: 2(125,0)
  silkscreen extent -220,-90 155,90, body extent -150,-85 150,85, height 171
DLM11SN900HY2L [mil]
  rect 28x12 smd: 1(-24.61,10.83)
  rrect25% 28x12 smd: 2(24.61,10.83) 3(24.61,-10.83) 4(-24.61,-10.83)
  silkscreen extent -24,-25 24,25, body extent -25,-20 25,20, height 24
FBGA-96 [mm]
  round 0.508 smd paste-25.375 mask+0.508: 1(-5.588,8.077) 1(5.588,-8.077)
  round 0.4 smd paste-25.375: A1(-3.2,6) A2(-2.4,6) A3(-1.6,6) A7(1.6,6) A8(2.4,6) A9(3.2,6) B1(-3.2,5.2) B2(-2.4,5.2) B3(-1.6,5.2) B7(1.6,5.2) B8(2.4,5.2) B9(3.2,5.2) C1(-3.2,4.4) C2(-2.4,4.4) C3(-1.6,4.4) C7(1.6,4.4) C8(2.4,4.4) C9(3.2,4.4) D1(-3.2,3.6) D2(-2.4,3.6) D3(-1.6,3.6) D7(1.6,3.6) D8(2.4,3.6) D9(3.2,3.6) E1(-3.2,2.8) E2(-2.4,2.8) E3(-1.6,2.8) E7(1.6,2.8) E8(2.4,2.8) E9(3.2,2.8) F1(-3.2,2) F2(-2.4,2) F3(-1.6,2) F7(1.6,2) F8(2.4,2) F9(3.2,2) G1(-3.2,1.2) G2(-2.4,1.2) G3(-1.6,1.2) G7(1.6,1.2) G8(2.4,1.2) G9(3.2,1.2) H1(-3.2,0.4) H2(-2.4,0.4) H3(-1.6,0.4) H7(1.6,0.4) H8(2.4,0.4) H9(3.2,0.4) J1(-3.2,-0.4) J2(-2.4,-0.4) J3(-1.6,-0.4) J7(1.6,-0.4) J8(2.4,-0.4) J9(3.2,-0.4) K1(-3.2,-1.2) K2(-2.4,-1.2) K3(-1.6,-1.2) K7(1.6,-1.2) K8(2.4,-1.2) K9(3.2,-1.2) L1(-3.2,-2) L2(-2.4,-2) L3(-1.6,-2) L7(1.6,-2) L8(2.4,-2) L9(3.2,-2) M1(-3.2,-2.8) M2(-2.4,-2.8) M3(-1.6,-2.8) M7(1.6,-2.8) M8(2.4,-2.8) M9(3.2,-2.8) N1(-3.2,-3.6) N2(-2.4,-3.6) N3(-1.6,-3.6) N7(1.6,-3.6) N8(2.4,-3.6) N9(3.2,-3.6) P1(-3.2,-4.4) P2(-2.4,-4.4) P3(-1.6,-4.4) P7(1.6,-4.4) P8(2.4,-4.4) P9(3.2,-4.4) R1(-3.2,-5.2) R2(-2.4,-5.2) R3(-1.6,-5.2) R7(1.6,-5.2) R8(2.4,-5.2) R9(3.2,-5.2) T1(-3.2,-6) T2(-2.4,-6) T3(-1.6,-6) T7(1.6,-6) T8(2.4,-6) T9(3.2,-6)
  silkscreen extent -6.48,-8.97 6.48,8.97, body extent -4.5,-7 4.5,7, height 1.11
FIDUCIAL [mil]
  round 40 smd paste-999 mask+40: 1(0,0)
  silkscreen extent -65,-65 65,65
IND_0402 [mil]
  rrect60% 20x20 smd paste+0 mask+1.97: 1(-17.5,0) 2(17.5,0)
  silkscreen extent -32,-16 32,16, body extent -19,-10 20,10, height 20
IND_0805 [mil]
  rrect25% 40x50 smd: 1(-40,0) 2(40,0)
  silkscreen extent -70,-35 70,35, body extent -39,-25 39,25, height 24
KMR621NGLFS [mil]
  rrect25% 35x40 smd: 1(-85,32) 2(-85,-32) 3(85,-32) 4(85,32)
  silkscreen extent -83,-64 83,64, body extent -93,-55 89,55, height 75
LED_0402 [mil]
  rect 20x20 smd paste+0 mask+1.97: 1(-17.5,0)
  rrect60% 20x20 smd paste+0 mask+1.97: 2(17.5,0)
  silkscreen extent -42,-16 37,16, body extent -20,-12 20,12, height 10
LP2996AMRX [mil]
  rect 60x25 smd: 1(-106,75)
  rrect25% 60x25 smd: 2(-106,25) 3(-106,-25) 4(-106,-75) 5(106,-75) 6(106,-25) 7(106,25) 8(106,75)
  rect 116.14x192.91 smd paste-118.11 mask+0: 9(0,0)
  round 20 on Top Overlay: ""(-160,75)
  silkscreen extent -77,-100 77,100, body extent -118,-96 118,96, height 67
MMBD7000-7-F [mil]
  rect 32x35 smd: 1(-40,-38)
  rrect33% 32x35 smd: 2(40,-38) 3(0,38)
  round 10 on Top Overlay: ""(-40,-69)
  silkscreen extent -65,-32 65,32, body extent -57,-47 57,47, height 40
MTH_M2 [mil]
  round 150 hole 95: 1(0,0)
  Top Layer keep-out region: 0,-150 -57.4,-138.58 -106.07,-106.07 -138.58,-57.4 -150,0 -150,0 -138.58,57.4 -106.07,106.07 -57.4,138.58 0,150 0,150 57.4,138.58 106.07,106.07 138.58,57.4 150,0 150,0 138.58,-57.4 106.07,-106.07 57.4,-138.58 0,-150
  Bottom Layer keep-out region: 0,-150 -57.4,-138.58 -106.07,-106.07 -138.58,-57.4 -150,0 -150,0 -138.58,57.4 -106.07,106.07 -57.4,138.58 0,150 0,150 57.4,138.58 106.07,106.07 138.58,57.4 150,0 150,0 138.58,-57.4 106.07,-106.07 57.4,-138.58 0,-150
  silkscreen extent -150,-150 150,150
RES_0402 [mil] "0402 Generic Resistor"
  rrect60% 20x20 smd paste+0 mask+1.97: 1(-17.5,0) 2(17.5,0)
  silkscreen extent -32,-16 32,16, body extent -19,-10 20,10, height 20
RES_0603 [mm]
  rrect37% 0.95x0.95 smd: 1(-0.725,0) 2(0.725,0)
  silkscreen extent -1.52,-0.76 1.52,0.76, body extent -0.87,-0.47 0.88,0.48, height 0.55
S25FL256LAGNFV010 [mil]
  rect 32x20 smd: 1(-155,75)
  rrect25% 32x20 smd: 2(-155,25) 3(-155,-25) 4(-155,-75) 5(155,-75) 6(155,-25) 7(155,25) 8(155,75)
  rect 185x190 smd: 9(0,0)
  round 15 on Top Overlay: ""(-190,75)
  silkscreen extent -160,-120 160,120, body extent -157,-118 157,118, height 32
SOT23-3 [mil]
  rect 28x40 smd: 1(-37,-46) 2(37,-46) 3(0,46)
  round 8 on Top Overlay: ""(-72,-43)
  silkscreen extent -44,-18 46,18, body extent -57,-47 57,47, height 40
SOT23-8 [mil]
  rrect10% 18x47 smd: 1(-38.39,-49.41)
  rrect33% 18x47 smd: 2(-12.8,-49.41) 3(12.8,-49.41) 4(38.39,-49.41) 5(38.39,49.41) 6(12.8,49.41) 7(-12.8,49.41) 8(-38.39,49.41)
  round 8 on Top Overlay: ""(-38,-83)
  silkscreen extent -60,-56 60,35, body extent -59,-56 59,56, height 47
SSM-104-L-SV [mil]
  rect 56x80 smd: 1(-150,-70)
  rrect25% 56x80 smd: 2(-50,70) 3(50,-70) 4(150,70)
  round 15 on Bottom Overlay: ""(-150,-130)
  silkscreen extent -200,-98 200,98, body extent -200,-90 200,90, height 296
SSM-110-L-DV#1 [mil]
  rect 35x40 smd: 1(-450,-50) 1(-450,50) 3(-350,50) 4(-350,-50) 5(-250,50) 6(-250,-50) 7(-150,50) 8(-150,-50) 9(-50,50) 10(-50,-50) 11(50,50) 12(50,-50) 13(150,50) 14(150,-50) 15(250,50) 16(250,-50) 17(350,50) 18(350,-50) 19(450,50) 20(450,-50)
  rect 40x88 smd: 1(-450,111)
  rrect25% 40x88 smd: 2(-450,-111) 3(-350,111) 4(-350,-111) 5(-250,111) 6(-250,-111) 7(-150,111) 8(-150,-111) 9(-50,111) 10(-50,-111) 11(50,111) 12(50,-111) 13(150,111) 14(150,-111) 15(250,111) 16(250,-111) 17(350,111) 18(350,-111) 19(450,111) 20(450,-111)
  silkscreen extent -517,-171 518,173, body extent -500,-138 500,139, height 293
SSM-110-L-DV#2 [mil]
  rect 35x40 smd: 1(-450,50) 2(-450,-50) 3(-350,50) 4(-350,-50) 5(-250,50) 6(-250,-50) 7(-150,50) 8(-150,-50) 9(-50,50) 10(-50,-50) 11(50,50) 12(50,-50) 13(150,50) 14(150,-50) 15(250,50) 16(250,-50) 17(350,50) 18(350,-50) 19(450,50) 20(450,-50)
  rect 40x88 smd: 1(-450,111)
  rrect25% 40x88 smd: 2(-450,-111) 3(-350,111) 4(-350,-111) 5(-250,111) 6(-250,-111) 7(-150,111) 8(-150,-111) 9(-50,111) 10(-50,-111) 11(50,111) 12(50,-111) 13(150,111) 14(150,-111) 15(250,111) 16(250,-111) 17(350,111) 18(350,-111) 19(450,111) 20(450,-111)
  round 15 on Bottom Overlay: ""(-450,200)
  silkscreen extent -517,-171 518,173, body extent -500,-138 500,139, height 293
SSM-110-L-SV [mil]
  rect 56x80 smd: 1(-450,-70)
  rrect25% 56x80 smd: 2(-350,70) 3(-250,-70) 4(-150,70) 5(-50,-70) 6(50,70) 7(150,-70) 8(250,70) 9(350,-70) 10(450,70)
  round 15 on Top Overlay: ""(-450,-130)
  silkscreen extent -500,-50 500,50, body extent -500,-90 500,90, height 296
TG2520SMN [mil] "4-SMD 2.5x2.0"
  rrect10% 42x20 smd: 1(-40,-26.57)
  rrect33% 42x20 smd: 2(40,-26.57) 3(40,26.57) 4(-40,26.57)
  round 15 on Top Overlay: ""(-80,-27)
  silkscreen extent -55,-45 54,45, body extent -51,-42 51,40, height 32
TP_HOLE [mil]
  round 75 hole 40: 1(0,0)
  silkscreen extent -45,-45 45,45
TP_PAD [mil]
  round 50 smd paste-999: 1(0,0)
  silkscreen extent -35,-33 34,35
TP_PAD_SMALL [mil]
  round 30 smd paste-999: 1(0,0)
  silkscreen extent -25,-25 25,25
TP_PAD_TINY [mil]
  round 20 smd paste-999: 1(0,0)
  silkscreen extent -18,-18 18,18
TPD4E1B06DCKR [mil]
  rect 35x15 smd: 1(-38,26)
  rrect25% 35x15 smd: 2(-38,0) 3(-38,-26) 4(38,-26) 5(38,0) 6(38,26)
  round 10 on Top Overlay: ""(-65,26)
  silkscreen extent -84,-45 77,45, body extent -41,-39 41,39, height 44
TPS74401 [mil] "LDO Regulator"
  rrect10% 42x14 smd: 1(-92.91,51.18)
  rrect33% 42x14 smd: 2(-92.91,25.59) 3(-92.91,0) 4(-92.91,-25.59) 5(-92.91,-51.18) 11(92.91,-51.18) 12(92.91,-25.59) 13(92.91,0) 14(92.91,25.59) 15(92.91,51.18)
  rrect33% 14x42 smd: 6(-51.18,-92.91) 7(-25.59,-92.91) 8(0,-92.91) 9(25.59,-92.91) 10(51.18,-92.91) 16(51.18,92.91) 17(25.59,92.91) 18(0,92.91) 19(-25.59,92.91) 20(-51.18,92.91)
  rect 124.02x124.02 smd paste-118.11: 21(0,0)
  round 10 on Top Overlay: ""(-128,51)
  silkscreen extent -100,-100 100,100, body extent -98,-98 98,98, height 39
TUSB546-DCIRNQT [mil]
  rect 32x8 smd: 1(-116,55.12)
  rrect25% 32x8 smd: 2(-116,39.37) 3(-116,23.62) 4(-116,7.87) 5(-116,-7.87) 6(-116,-23.62) 7(-116,-39.37) 8(-116,-55.12) 21(116,-55.12) 22(116,-39.37) 23(116,-23.62) 24(116,-7.87) 25(116,7.87) 26(116,23.62) 27(116,39.37) 28(116,55.12)
  rrect25% 8x32 smd: 9(-86.61,-76.5) 10(-70.87,-76.5) 11(-55.12,-76.5) 12(-39.37,-76.5) 13(-23.62,-76.5) 14(-7.87,-76.5) 15(7.87,-76.5) 16(23.62,-76.5) 17(39.37,-76.5) 18(55.12,-76.5) 19(70.87,-76.5) 20(86.61,-76.5) 29(86.61,76.5) 30(70.87,76.5) 31(55.12,76.5) 32(39.37,76.5) 33(23.62,76.5) 34(7.87,76.5) 35(-7.87,76.5) 36(-23.62,76.5) 37(-39.37,76.5) 38(-55.12,76.5) 39(-70.87,76.5) 40(-86.61,76.5)
  rect 189x110 smd paste-999: 41(0,0)
  round 10 on Top Overlay: ""(-150,55)
  silkscreen extent -125,-86 125,86, body extent -118,-79 118,79, height 31
UJ31-CH-G2-SMT-TR [mm]
  rect 0.35x0.7 smd: A1(0,0) A2(0.5,0) A3(1,0) A4(1.5,0) A5(2,0) A6(2.5,0) A7(3,0) A8(3.5,0) A9(4,0) A10(4.5,0) A11(5,0) A12(5.5,0)
  round 0.66 hole 0.406: B1(5.8,-1.11) B2(5.15,-1.81) B3(4.35,-1.81) B4(3.95,-1.11) B5(3.55,-1.81) B6(3.15,-1.11) B7(2.35,-1.11) B8(1.95,-1.81) B9(1.55,-1.11) B10(1.15,-1.81) B11(0.35,-1.81) B12(-0.3,-1.11)
  oval 1.016x2.032 hole 0.508 slot 1.143 at 90 deg: SH1(-1.75,-0.31) SH2(7.25,-0.31) SH3(-1.75,-5.91) SH4(7.25,-5.91)
  round 0.66 hole 0.66 unplated: ""(-0.975,-1.81) ""(6.475,-1.81)
  round 0.508 on Top Overlay: ""(0,1.016)
  Keep-Out Layer region: 7.35,-4.66 6.5,-4.66 6.5,-7.06 -1,-7.06 -1,-4.66 -1.85,-4.66 -1.85,-2.56 7.35,-2.56
  Keep-Out Layer region: 7.35,-4.66 6.5,-4.66 6.5,-7.06 -1,-7.06 -1,-4.66 -1.85,-4.66 -1.85,-2.56 7.35,-2.56
  silkscreen extent -2.07,-9.56 7.57,0.44, body extent -2.11,-9.56 7.61,0.44, height 4.47